# Altium PCB PCB_V2_1.PcbDoc (part 1 of 2)
Units mm, origin at the board's own origin, x right, y up, seen from the top; angles counter-clockwise.
Board outline 81.5 x 81.5 mm, 2 copper layers (Top Layer, Bottom Layer), stack 1.571 mm thick; 114 components, 75 nets, 383 pads, 336 vias.
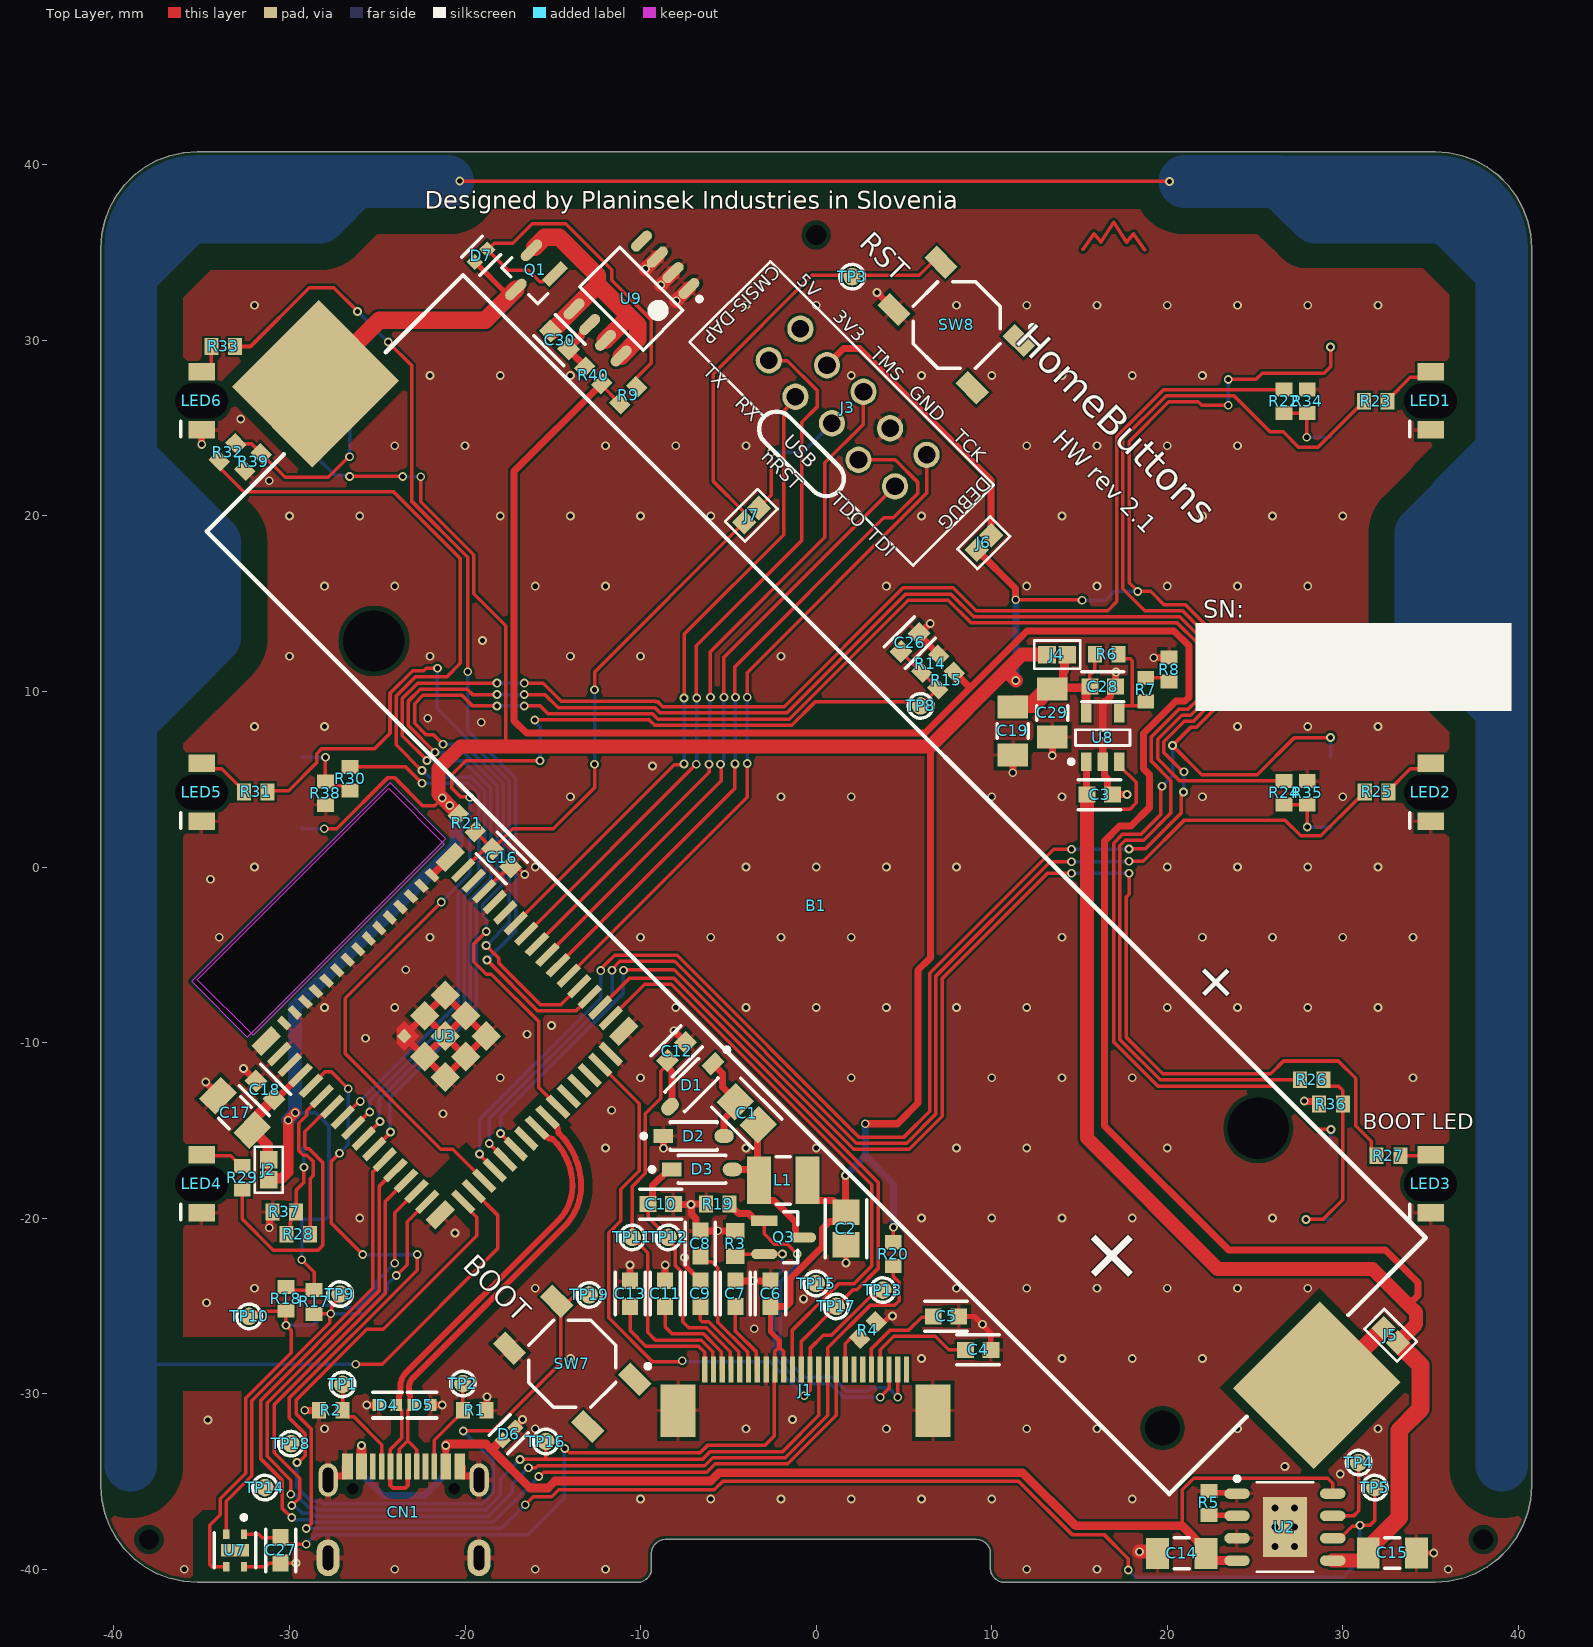
[diagram p0: Top Layer view]
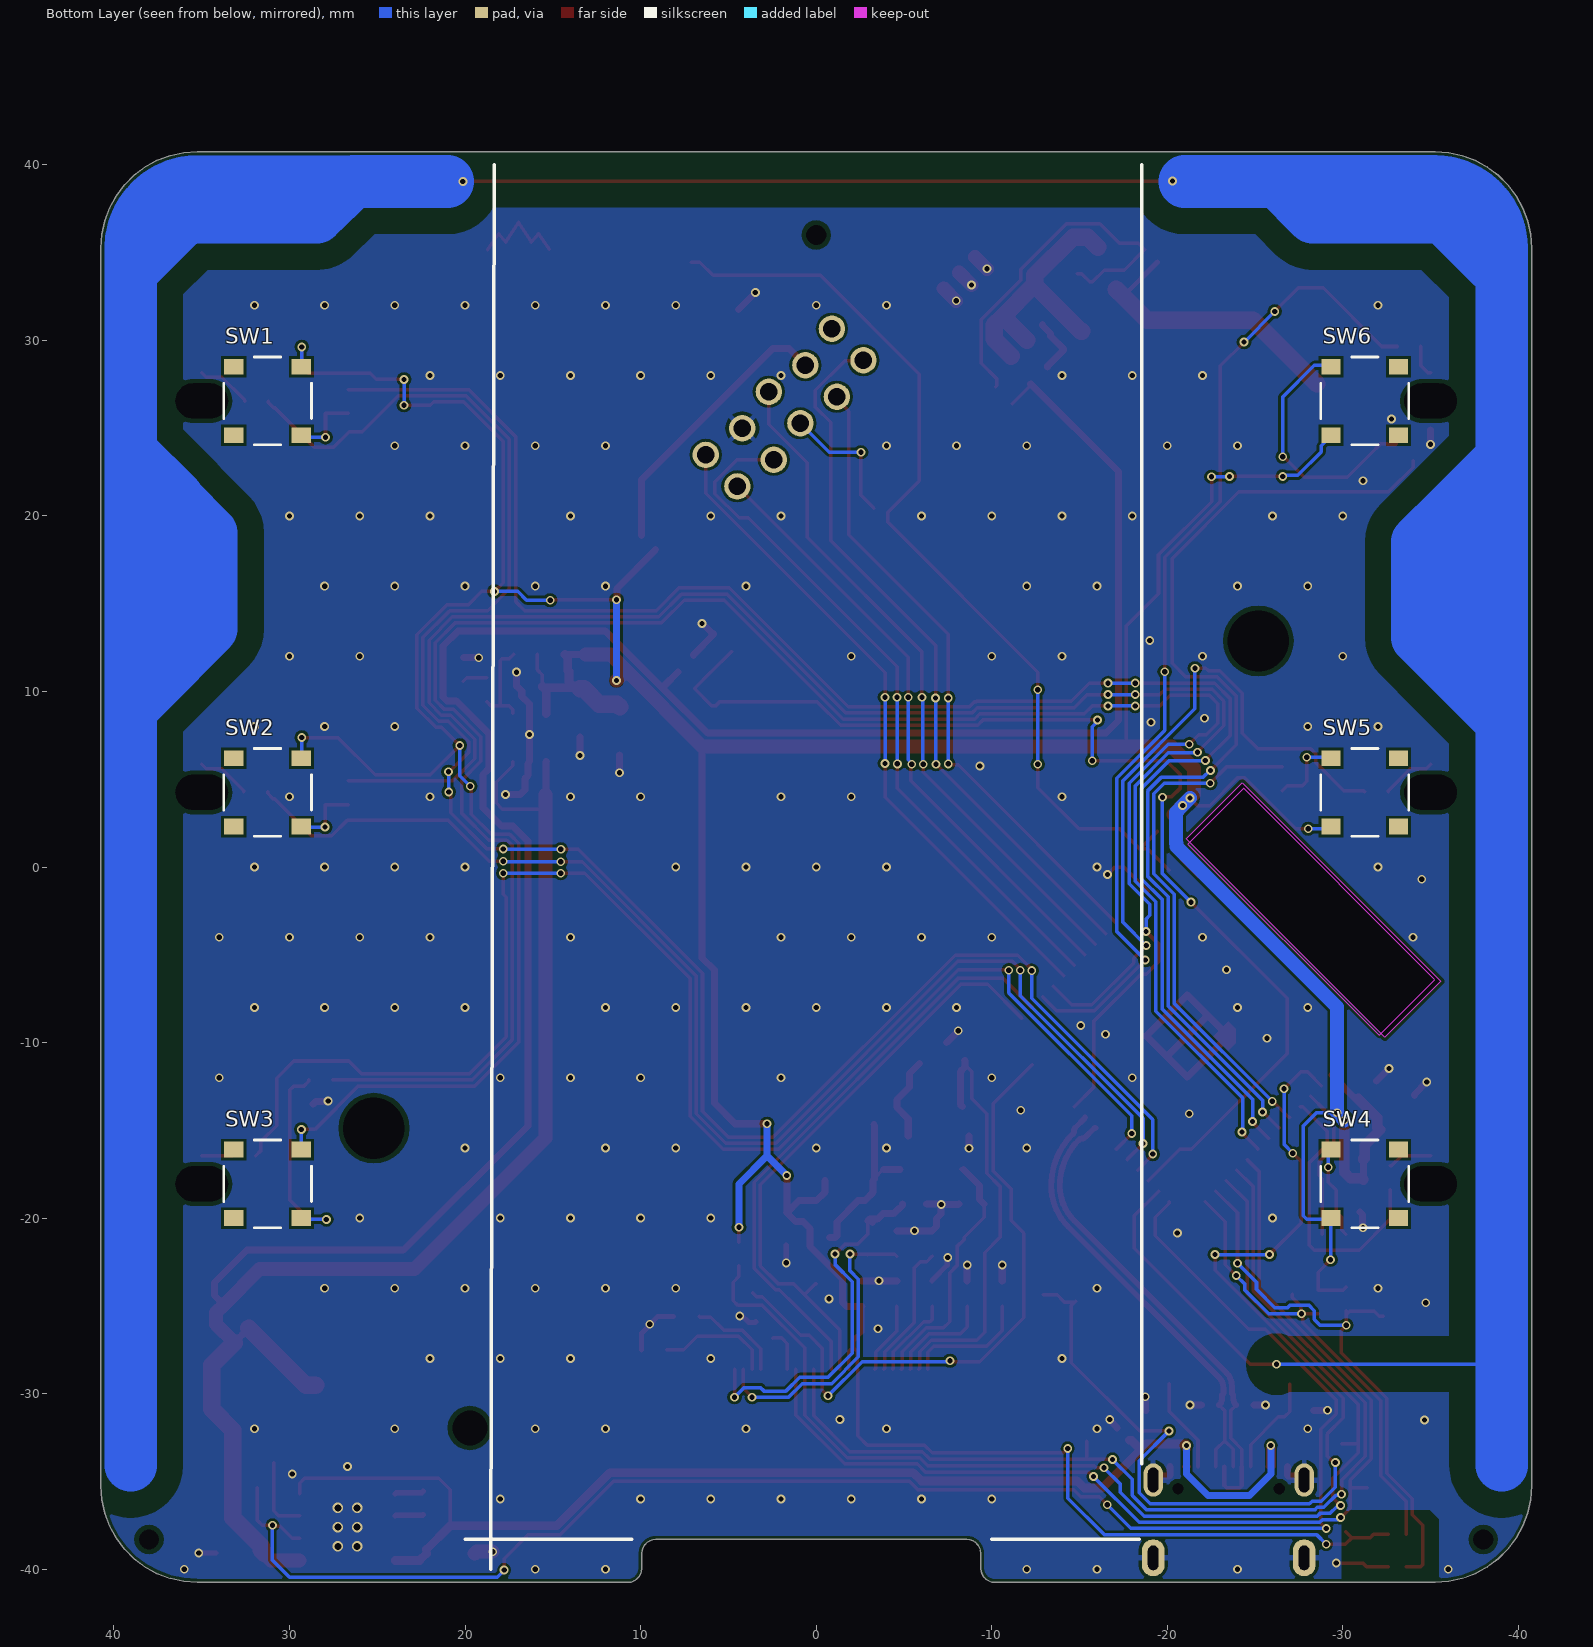
[diagram p1: Bottom Layer view, seen from below]
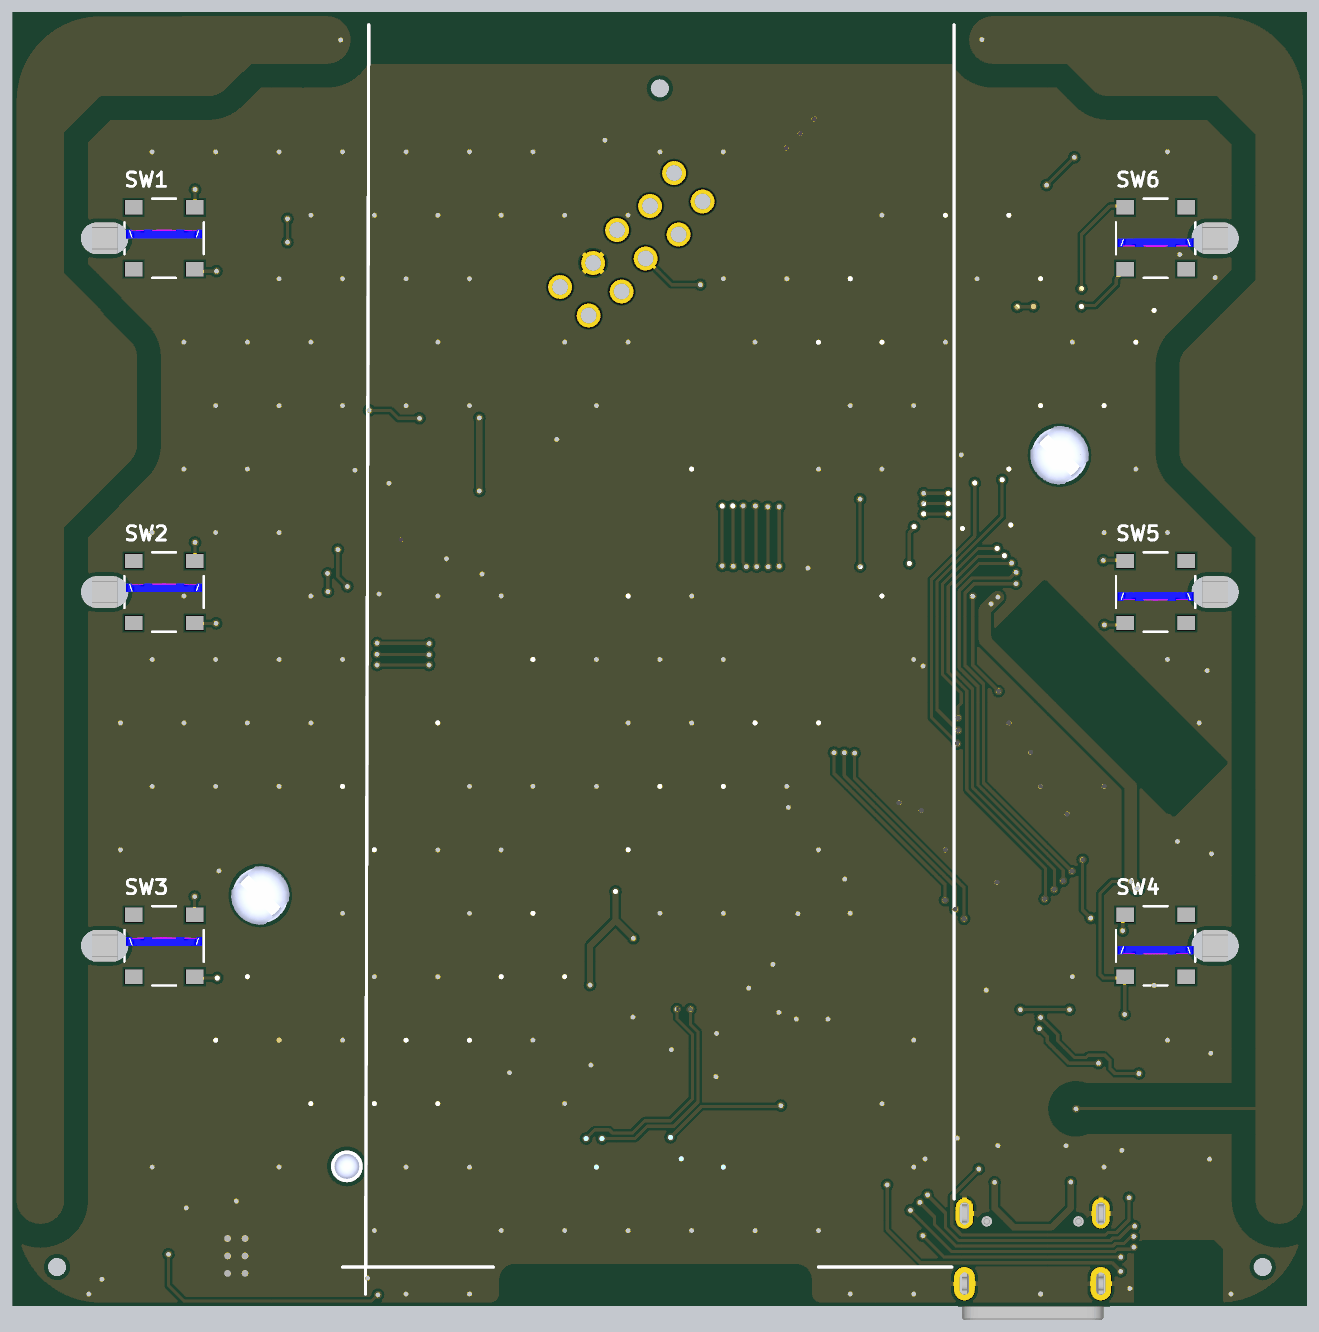
[diagram p3: 3D render of the assembled board from below, using the file's embedded part models]

## Layer stack, top to bottom
Top Solder: solder mask 0.0102, Solder Resist, Dk 3.5
Top Layer: signal copper 0.0356
Dielectric 1: dielectric 1.5, FR-4, Dk 4.8
Bottom Layer: signal copper 0.0356
Bottom Solder: solder mask 0.0102, Solder Resist, Dk 3.5

## Board outline
-35.25,-40.75 -10.18,-40.75 -10.002,-40.73 -9.833,-40.671 -9.681,-40.575 -9.555,-40.449 -9.459,-40.297 -9.4,-40.128 -9.38,-39.95 -9.38,-39.1 -9.36,-38.922 -9.301,-38.753 -9.205,-38.601 -9.079,-38.475 -8.927,-38.379 -8.758,-38.32 -8.58,-38.3 9.13,-38.3 9.308,-38.32 9.477,-38.379 9.629,-38.475 9.755,-38.601 9.851,-38.753 9.91,-38.922 9.93,-39.1 9.93,-39.95 9.95,-40.128 10.009,-40.297 10.105,-40.449 10.231,-40.575 10.383,-40.671 10.552,-40.73 10.73,-40.75 35.25,-40.75 36.033,-40.694 36.8,-40.527 37.535,-40.253 38.224,-39.877 38.852,-39.407 39.407,-38.852 39.877,-38.224 40.253,-37.535 40.527,-36.8 40.694,-36.033 40.75,-35.25 40.75,35.25 40.694,36.033 40.527,36.8 40.253,37.535 39.877,38.224 39.407,38.852 38.852,39.407 38.224,39.877 37.535,40.253 36.8,40.527 36.033,40.694 35.25,40.75 -35.25,40.75 -36.033,40.694 -36.8,40.527 -37.535,40.253 -38.224,39.877 -38.852,39.407 -39.407,38.852 -39.877,38.224 -40.253,37.535 -40.527,36.8 -40.694,36.033 -40.75,35.25 -40.75,-35.25 -40.694,-36.033 -40.527,-36.8 -40.253,-37.535 -39.877,-38.224 -39.407,-38.852 -38.852,-39.407 -38.224,-39.877 -37.535,-40.253 -36.8,-40.527 -36.033,-40.694
cut-out: -32.4,-9.7 -21.086,1.614 -24.268,4.796 -35.582,-6.518

## Design rules (kind name [scope] priority, off if disabled: settings)
BoardOutlineClearance [All] p1: gap=0.2 ignorepadtopadclearanceinfootprint=FALSE
Clearance "proximity track clearance" [InNet('PROXIMITY') vs InNet('GND')] p1: gap=1.5 ignorepadtopadclearanceinfootprint=TRUE
Clearance "usb dif pair track clearance" [(InNet('USB_N') OR InNet('USB_P')) vs InNet('GND')] p2: gap=0.5 ignorepadtopadclearanceinfootprint=TRUE
Clearance [All] p3: gap=0.15 ignorepadtopadclearanceinfootprint=FALSE except(0.25: Arc-Hole Track-Hole THPad-Hole Via-Hole Fill-Hole Poly-Hole Region-Hole Text-Hole)
ComponentClearance [All] p1: gap=0 collisioncheckmode=3 verticalgap=0 showdistances=TRUE
DiffPairsRouting [All] p1: maxlimit=0.15 minlimit=0.15 mostfreqgap=0.15 toplayer_minwidth=0.2 toplayer_maxwidth=0.335 toplayer_prefwidth=0.335 bottomlayer_minwidth=0.2 bottomlayer_maxwidth=0.335 bottomlayer_prefwidth=0.335 impedanceprofiledriven=TRUE impedanceprofileid={C2F5FF65-82FF-485B-A6D6-999E515194F7} impedanceprofilevalue=100.000000 maxuncoupledlength=12.7
Height [All] p1: minheight=0 maxheight=1816.048 prefheight=12.7
HoleSize [All] p1: absolutevalues=TRUE maxlimit=6.3 minlimit=0.3 maxpercent=80.000 minpercent=20.000
HoleToHoleClearance [All] p1: gap=0.25 allowstackedmicrovias=FALSE
MinimumAnnularRing [All] p1: minimumring=0.076
MinimumSolderMaskSliver [All] p1: minsoldermaskwidth=0
PasteMaskExpansion [All] p1: expansion=0 percent=-10.000000
PlaneClearance [All] p1: clearance=0.102
PlaneConnect PlaneConnectPowerPads [InPadClass('PowerPads')] p1: planeconnectstyle=Direct reliefexpansion=0.508 reliefentries=4 reliefconductorwidth=0.254 reliefairgap=0.254
PlaneConnect [All] p2: pad.planeconnectstyle=Relief pad.reliefexpansion=0.3 pad.reliefentries=4 pad.reliefconductorwidth=0.102 pad.reliefairgap=0.102 via.planeconnectstyle=Direct via.reliefexpansion=0.3 via.reliefentries=4 via.reliefconductorwidth=0.127 via.reliefairgap=0.127
PolygonConnect PolygonConnectPowerPads [All vs (InPadClass('PowerPads'))] p1: connectstyle=Direct reliefconductorwidth=0.254 reliefentries=4 polygonreliefangle="90 Angle" airgapwidth=0.254
PolygonConnect [All] p2: thpad.connectstyle=Relief thpad.reliefconductorwidth=0.3 thpad.reliefentries=4 thpad.polygonreliefangle="90 Angle" thpad.airgapwidth=0.2 smdpad.connectstyle=Relief smdpad.reliefconductorwidth=0.2 smdpad.reliefentries=4 smdpad.polygonreliefangle="90 Angle" smdpad.airgapwidth=0.2 via.connectstyle=Direct via.reliefconductorwidth=0.127 via.reliefentries=4 via.polygonreliefangle="90 Angle" via.airgapwidth=0.127
RoutingVias [All] p1: holewidth=0.3 width=0.5 viastyle="Through Hole" minholewidth=0.2 minwidth=0.45 maxholewidth=6.3 maxwidth=6.55
SilkToSilkClearance [All] p1: silktosilkclearance=0
SilkToSolderMaskClearance [IsPad] p1: minsilkscreentomaskgap=0.08 clearancetoexposedcopper=TRUE
SolderMaskExpansion SolderMaskExpansion_VIAS [IsVia] p1: expansion=0.102 istentingtop=TRUE // SolderMask expansion for vias (defines tenting)
SolderMaskExpansion [All] p2: expansion=0.102 istentingtop=FALSE
Width [All] p1: maxlimit=1816.048 minlimit=0.09 preferedwidth=0.102 minimp=50.000000 maximp=50.000000 favimp=50.000000
19 further rules are at their usual default settings.

## Classes and differential pairs
differential pair USB: +USB_P -USB_N

## Components (designator, comment, footprint, x,y, rotation, side; value= is the part's Value field where it differs from the comment)
B1 "18650 Li-Ion Battery" "18650 SMD holder" 0,-1 r315 top locked
C1 "CL21A475KAQNNNE" FP-CL21-IPC_A -3.95,-14.025 r315 top
C2 "CL21A475KAQNNNE" FP-CL21-IPC_A 1.7,-20.6 r270 top
C3 "CL10A105KB8NNNC" FP-CL10B105KO8NNNC-IPC_B 16.15,4.125 r0 top value=1uF
C4 "CL10A105KB8NNNC" FP-CL10B105KO8NNNC-IPC_B 9.225,-27.5 r0 top value=1uF
C5 "CL10A105KB8NNNC" FP-CL10B105KO8NNNC-IPC_B 7.4,-25.6 r0 top value=1uF
C6 "CL10A105KB8NNNC" FP-CL10B105KO8NNNC-IPC_B -2.6,-24.3 r90 top value=1uF
C7 "CL10A105KB8NNNC" FP-CL10B105KO8NNNC-IPC_B -4.6,-24.3 r90 top value=1uF
C8 "CL10A105KB8NNNC" FP-CL10B105KO8NNNC-IPC_B -6.6,-21.45 r90 top value=1uF
C9 "CL10A105KB8NNNC" FP-CL10B105KO8NNNC-IPC_B -6.6,-24.3 r90 top value=1uF
C10 "CL10A105KB8NNNC" FP-CL10B105KO8NNNC-IPC_B -8.85,-19.2 r0 top value=1uF
C11 "CL10A105KB8NNNC" FP-CL10B105KO8NNNC-IPC_B -8.6,-24.3 r90 top value=1uF
C12 "CL10A105KB8NNNC" FP-CL10B105KO8NNNC-IPC_B -7.95,-10.5 r45 top value=1uF
C13 "CL10A105KB8NNNC" FP-CL10B105KO8NNNC-IPC_B -10.6,-24.3 r90 top value=1uF
C14 "CL31A226KPHNNNE" FP-CL31-IPC_B 20.824,-39.1 r180 top
C15 "CL31A226KPHNNNE" FP-CL31-IPC_B 32.825,-39.075 r0 top
C16 "CL10A105KB8NNNC" FP-CL10B105KO8NNNC-IPC_B -17.914,0.514 r315 top value=1uF
C17 "CL31A226KPHNNNE" FP-CL31-IPC_B -33.1,-14 r135 top
C18 "CL10A105KB8NNNC" FP-CL10B105KO8NNNC-IPC_B -31.4,-12.7 r135 top value=1uF
C19 "CL31A226KPHNNNE" FP-CL31-IPC_B 11.2,7.75 r270 top
C26 "CL10A105KB8NNNC" FP-CL10B105KO8NNNC-IPC_B 5.336,12.786 r45 top value=1uF
C27 "CL10A105KB8NNNC" FP-CL10B105KO8NNNC-IPC_B -30.5,-38.925 r270 top value=1uF
C28 "CL10A105KB8NNNC" FP-CL10B105KO8NNNC-IPC_B 16.323,10.275 r0 top value=1uF
C29 "CL31A226KPHNNNE" FP-CL31-IPC_B 13.45,8.775 r270 top
C30 "CL10A105KB8NNNC" FP-CL10B105KO8NNNC-IPC_B -14.614,30.014 r135 top value=1uF
CN1 "XKB U262-161N-4BVC11" "XKB U262-161N-4BVC11" -23.5,-41.7 r0 top
D1 "MBR0530" FP-425-04-IPC_B -7.1,-12.425 r225 top
D2 "MBR0530" FP-425-04-IPC_B -6.975,-15.325 r0 top
D3 "MBR0530" FP-425-04-IPC_B -6.5,-17.225 r0 top
D4 "LXES15AAA1-133" FP-LXES15-IPC_A -24.425,-30.65 r0 top
D5 "LXES15AAA1-133" FP-LXES15-IPC_A -22.45,-30.65 r180 top
D6 "LXES15AAA1-133" FP-LXES15-IPC_A -17.5,-32.3 r225 top
D7 "LXES15AAA1-133" FP-LXES15-IPC_A -19.081,34.819 r45 top
J1 "XFCN F0501-T-24-20T-R" "XFCN F0501-T-24-20T-R" -0.6,-28.4 r0 top locked
J2 "SolderJumper" SolderJumper_1mm -31.175,-17.825 r270 top
J3 "DEBUG" "muselab cmsis-dap frictionfit" 2.696,27.071 r225 top
J4 "SolderJumper" SolderJumper_1mm 13.15,12.1 r180 top
J5 "SolderJumper" SolderJumper_1mm 33.138,-27.088 r315 top
J6 "SolderJumper" SolderJumper_1mm 9.963,18.888 r45 top
J7 "SolderJumper" SolderJumper_1mm -3.275,20.45 r45 top
L1 "CMI322513J680MT" FP-DFE322512C-IPC_B -1.875,-17.85 r180 top value=68uH
LED1 "Everlight Elec 23-21B/T1D-CP2Q2TY/2A" "Everlight Elec 23-21B/T1D-CP2Q2TY/2A" 35,26.55 r90 top locked
LED2 "Everlight Elec 23-21B/T1D-CP2Q2TY/2A" "Everlight Elec 23-21B/T1D-CP2Q2TY/2A" 35,4.25 r90 top locked
LED3 "Everlight Elec 23-21B/T1D-CP2Q2TY/2A" "Everlight Elec 23-21B/T1D-CP2Q2TY/2A" 35,-18.05 r90 top locked
LED4 "Everlight Elec 23-21B/T1D-CP2Q2TY/2A" "Everlight Elec 23-21B/T1D-CP2Q2TY/2A" -35,-18.05 r90 top locked
LED5 "Everlight Elec 23-21B/T1D-CP2Q2TY/2A" "Everlight Elec 23-21B/T1D-CP2Q2TY/2A" -35,4.25 r90 top locked
LED6 "Everlight Elec 23-21B/T1D-CP2Q2TY/2A" "Everlight Elec 23-21B/T1D-CP2Q2TY/2A" -35,26.55 r90 top locked
Q1 "BM3402" FP-SOT23-IPC_B -16.325,33.675 r225 top
Q3 "BM3402" FP-SOT23-IPC_B -1.85,-21.1 r0 top
R1 "0603WAF5101T5E" RESC1608X55X30NL15T15 -19.45,-30.95 r180 top value=5k1
R2 "0603WAF5101T5E" RESC1608X55X30NL15T15 -27.65,-30.95 r0 top value=5k1
R3 "0603WAF220KT5E" RESC1608X55X30ML15T15 -4.6,-21.45 r90 top value=2R2
R4 "0603WAF1004T5E" RESC1608X55X30NL15T15 2.95,-26.375 r225 top value=1M
R5 "0603WAF1501T5E" RESC1608X55X30NL15T15 22.375,-36.225 r270 top value=1k5
R6 "0603WAF2203T5E" RESC1608X55X30NL15T15 16.55,12.125 r180 top value=220k
R7 "0603WAF7502T5E" RESC1608X55X30NL15T15 18.775,10.1 r270 top value=75k
R8 "0603WAF1501T5E" RESC1608X55X30NL15T15 20.1,11.25 r270 top value=1k5
R9 "0603WAF1501T5E" RESC1608X55X30NL15T15 -10.7,26.875 r225 top value=1k5
R14 "0603WAF1004T5E" RESC1608X55X30NL15T15 6.498,11.573 r225 top value=1M
R15 "0603WAF1004T5E" RESC1608X55X30NL15T15 7.4,10.625 r45 top value=1M
R17 "0603WAF1501T5E" RESC1608X55X30NL15T15 -28.6,-24.775 r90 top value=1k5
R18 "0603WAF1501T5E" RESC1608X55X30NL15T15 -30.2,-24.6 r90 top value=1k5
R19 "0603WAF1501T5E" RESC1608X55X30NL15T15 -5.6,-19.2 r0 top value=1k5
R20 "0603WAF1004T5E" RESC1608X55X30NL15T15 4.4,-22.05 r270 top value=1M
R21 "0603WAF1501T5E" RESC1608X55X30NL15T15 -19.9,2.5 r135 top value=1k5
R22 "0603WAF1004T5E" RESC1608X55X30NL15T15 26.65,26.525 r270 top value=1M
R23 "0603WAF100JT5E" RESC1608X55X30NL15T15 31.875,26.525 r0 top value=10
R24 "0603WAF1004T5E" RESC1608X55X30NL15T15 26.65,4.225 r270 top value=1M
R25 "0603WAF100JT5E" RESC1608X55X30NL15T15 31.925,4.275 r0 top value=10
R26 "0603WAF1004T5E" RESC1608X55X30NL15T15 28.225,-12.125 r0 top value=1M
R27 "0603WAF100JT5E" RESC1608X55X30NL15T15 32.6,-16.45 r0 top value=10
R28 "0603WAF1004T5E" RESC1608X55X30NL15T15 -29.5,-20.925 r180 top value=1M
R29 "0603WAF100JT5E" RESC1608X55X30NL15T15 -32.7,-17.7 r90 top value=10
R30 "0603WAF1004T5E" RESC1608X55X30NL15T15 -26.55,5.025 r270 top value=1M
R31 "0603WAF100JT5E" RESC1608X55X30NL15T15 -31.925,4.275 r180 top value=10
R32 "0603WAF1004T5E" RESC1608X55X30NL15T15 -33.527,23.623 r225 top value=1M
R33 "0603WAF100JT5E" RESC1608X55X30NL15T15 -33.775,29.65 r180 top value=10
R34 "0603WAF5101T5E" RESC1608X55X30NL15T15 27.975,26.525 r270 top value=5k1
R35 "0603WAF5101T5E" RESC1608X55X30NL15T15 27.975,4.225 r270 top value=5k1
R36 "0603WAF5101T5E" RESC1608X55X30NL15T15 29.325,-13.5 r0 top value=5k1
R37 "0603WAF5101T5E" RESC1608X55X30NL15T15 -30.3,-19.65 r0 top value=5k1
R38 "0603WAF5101T5E" RESC1608X55X30NL15T15 -27.95,4.2 r90 top value=5k1
R39 "0603WAF5101T5E" RESC1608X55X30NL15T15 -32.077,23.073 r45 top value=5k1
R40 "0603WAF1501T5E" RESC1608X55X30NL15T15 -12.7,28 r315 top value=1k5
SW1 "Alps SKRB" "Alps SKRB" 31.25,26.55 r0 bottom locked
SW2 "Alps SKRB" "Alps SKRB" 31.25,4.25 r0 bottom locked
SW3 "Alps SKRB" "Alps SKRB" 31.25,-18.05 r0 bottom
SW4 "Alps SKRB" "Alps SKRB" -31.25,-18.05 r180 bottom locked
SW5 "Alps SKRB" "Alps SKRB" -31.25,4.25 r180 bottom locked